# KiCad board Rogelio Pineda part 5.x3-AMLDC-2044B.kicad_pcb (continued)
## Routing (per net, layer and track width the routed paths; a pad name or vN(x,y) marks a point on that pad's centre or on a via; arc(x,y) is an arc through that point) (continued)
V0p10: length 7.8
  Top w0.15: UV0.5 120.09,67.14 120.16,72.39 120.16,73.23 UV0.10
V0p13: length 7.8
  Top w0.15: UV0.13 112.58,73.27 112.58,72.18 112.54,69.6 112.46,66.99 112.46,66.19 UV0.2
V1p12: length 8
  Top w0.15: 153.84,81.16 153.79,81.1 v1(153.72,81.1) 153.72,81.03 153.65,80.97 153.65,80.75 153.3,80.4 153.3,74.86 153.25,74.81 UV1.12
V1p13: length 13.7
  Top w0.15: 148.74,86.6 v1(148.74,86.66) 148.59,85.17 148.56,84.89 148.44,84.34 148.39,82.96 148.42,82.08 148.44,81.32 148.56,80.74 148.76,80.12 148.89,79.59 149.04,78.71 149.53,77.53 149.72,76.82 150.04,76.06 150.35,75.14 150.49,74.65 150.71,73.42
V3p10: length 7.6
  Top w0.15: 239.36,72.84 239.36,65.22
V3p13: length 7.8
  Top w0.15: 231.74,72.84 231.74,72.36 231.98,72.11 232.11,66.6 231.74,65.22
V5p1: length 18
  Top w0.2: UV5.1 298.16,63.94 298.56,63.4 298.97,62.16 299.27,60.81 299.43,54.71 299.4,52.92 299.41,52.58 299.45,52.12 299.23,50.44 299.02,49.62 298.87,49.07 UW5.1
V5p4: length 18.8
  Top w0.2: UW5.2 301.28,49.52 301.48,50.67 301.75,52.47 302.03,54.22 301.99,56.92 301.9,57.74 302.02,58.77 302.28,59.38 302.56,59.98 303.12,60.69 304.59,62.88 305.23,63.65 UV5.4
V5p5: length 19.2
  Top w0.2: UW5.7 312.56,47.85 312.31,48.29 312.01,49.16 311.09,50.29 309.61,52.27 309.42,55.02 309.62,60.3 309.12,61.8 308.81,62.69 308.28,63.48 UV5.5
V5p9: length 5
  Top w0.2: 314.11,76.76 v1(314.11,76.74) 314.87,76.22 315.57,74.37 315.94,73.5 UV5.9
V5p12: length 19.3
  Top w0.2: UW5.10 313.03,56.07 312.86,57.1 312.52,58.09 312.29,59.29 312.18,59.89 312.09,60.76 312,62.81 311.96,68.24 311.48,69.03 311.41,69.23 310.86,69.81 309.79,70.56 308.68,71.64 308.32,71.88 UV5.12
V5p13: length 19.3
  Top w0.2: UW5.15 300.61,57.1 300.54,58.54 301.14,60.21 301.66,61.23 301.89,61.93 302.06,62.61 301.96,65.92 301.97,67.53 302.25,68.51 302.73,69.2 303.21,69.71 303.46,70.08 303.88,70.31 304.31,70.65 305.13,71.43 UV5.13
V6p9: length 18.2
  Top w0.15: UV6.9 354.71,70.58 354.48,69.93 354.08,68.7 353.92,67.8 353.82,66.5 354.08,64.79 353.87,61.81 354.1,57.8 354.45,56.72 354.94,55.24 UW6.9
V6p12: length 9.2
  Top w0.15: UV6.12 348.64,71.21 348.92,70.74 350.02,69.5 350.72,68.62 351.39,67.66 352.08,66.39 UV6.5
V6p13: length 8.1
  Top w0.15: UV6.13 344.94,70.46 344.49,69.33 344.08,67.9 343.58,66.62 UV6.1
V7p13: length 38
  Top w0.15: UV7.13 382.51,73.88 383.12,75.81 383.36,76.62 383.6,77.14 384.31,79.34 385.34,82.1 386.94,86.8 387.87,89.64 389.92,95.58 391.78,100.52 392.73,102.98 393,103.82 393.92,106.38 394.07,106.86 UT7.7
(no net): length 8259.3
  Top w0.15: v1(435.61,361.51) 435.44,358.62 435.42,354.66 435.52,353.83 435.38,342.07 435.23,331.05 435.08,315.09 435.08,311.26 435,299.65 435.21,272.7 435.35,270.71 435.35,267.59 v1(435.26,267.5) ; 320.5,194.85 320.55,194.8 ; 320.55,194.8 320.34,191.57 320.37,190.83 320.27,187.79 320.11,186.38 320.05,184.76 319.77,182.23 319.47,180.67 319.38,179.54 319.18,178.28 319.09,177.03 318.86,175.71 318.68,174.47 318.57,172.92 318.48,172.08 318.37,166.87 318.14,160.19 317.98,133.68 317.93,132.16 317.92,130.24 317.87,129.31 317.76,124.81 317.81,123.33 317.76,118.17 ; 320.55,194.8 320.63,200.26 320.66,201.14 320.83,207.32 320.56,208.69 320.44,209.6 320.18,210.76 319.79,212.59 319.37,213.65 v1(319.01,214.32) ; v1(417.59,264.07) 417.71,265.75 417.57,287.77 417.63,289.14 417.76,297.06 417.76,297.95 417.85,302.06 417.92,303.23 417.69,303.72 417.53,304.75 417.99,306.01 418.1,310.4 417.79,310.79 417.65,312.27 417.74,312.36 417.74,312.53 418.14,313.21 418.04,314.33 418.03,315.77 v1(417.92,315.89) ; v1(321.56,40.95) 321.49,49.03 321.51,52.14 v1(321.69,65.02) ; 329.21,114.51 329.28,114.57 v1(329.15,114.64) 329.28,117.36 329.04,123.13 328.84,128.13 328.82,130.07 328.78,134.81 328.81,136.07 329.02,141.97 329.12,143.22 329.31,149.68 329.34,149.71 329.34,153.55 v1(329.51,153.72) ; v1(399.47,286.71) 399.5,286.74 399.5,288.33 399.4,288.71 399.22,289.96 399.09,292.7 398.98,293.68 399.07,313.06 399.21,320.69 399.33,351.71 399.38,352.46 399.41,355.24 399.61,357 399.85,360.22 400.08,364.05 399.98,364.65 v1(400.02,364.69) ; v1(333.3,167.61) 332.86,166.75 332.74,166.47 332.47,164.89 332.4,164.35 332.23,163.29 332.18,161.81 332.18,157.69 332.33,156.49 332.56,152.79 332.84,151.53 332.97,148.47 v1(332.97,148.47) ; 254.2,50.02 254.2,50.12 v1(254.25,50.17) 254.2,50.22 254.2,51.19 254.38,51.89 254.56,54.47 254.61,55.1 254.9,57.87 255.04,59.42 255.2,69.82 255.05,71.2 254.88,74.54 254.67,76.65 254.35,78.61 254.01,80.27 253.87,82.13 253.74,85.54 253.59,117.21 253.57,119.9 252.93,145.35 252.97,154.67 253.41,160.48 253.71,161.72 v1(253.81,162.64) ; v1(366.31,218.24) 366.29,216.97 366.25,215.92 366.11,211.44 366.13,210.59 366.06,208.1 366.07,206.62 366.03,203.01 365.99,202.17 365.89,198.98 365.89,198.04 365.81,196.48 365.73,194.78 365.8,194.01 365.69,192.96 365.71,192.94 365.85,190.17 365.94,189.07 366.12,186.88 366.15,186.16 366.25,185.14 366.38,181.52 366.35,174.88 366.35,173.37 366.35,172.17 366.3,169.35 366.34,165.47 366.27,164.71 v1(366.08,163.62) ; v1(363.07,284.43) 363.32,284.16 363.29,283.75 v1(362.98,276.78) ; v1(400.17,367.49) 400.48,367.36 401.23,366.16 401.83,364.77 401.48,359.83 401.38,358.83 401.37,358.09 401.34,357.85 401.3,356.34 401.31,355.83 401.33,355.54 401.46,353.98 401.86,352.87 402.19,352.01 402.53,350.97 402.62,349.29 401.9,346.07 401.58,339.06 401.48,335.43 401.28,330.59 401.15,324.27 401.12,320.12 ; v1(374.63,163.57) 375.21,188.48 375.09,240.14 375.15,252.88 375.15,253.58 v1(374.9,253.83) ; 404.18,102.61 v1(403.99,102.75) 404.03,121.4 403.88,179.23 403.87,182.68 403.97,191.48 403.94,192.6 404.02,203.76 404.09,212.96 404.09,221.89 404.09,224.47 404.12,228.13 404.12,230.59 404.05,234.1 404.12,235.49 404.42,239.67 404.66,242.15 404.64,249.69 404.59,251.09 404.47,252.55 404.2,253.17 v1(403.98,253.58) ; v1(338.22,206.68) 338.45,207.85 338.6,210.44 338.6,211.76 338.58,213.26 338.5,216.61 338.32,221.28 338.17,224.19 337.76,230.92 337.59,232.99 337.48,235.28 337.4,235.9 337.22,240.28 337.07,241.42 336.84,243.21 336.06,244.72 335.74,245.77 334.66,247.59 334.21,249.83 334.01,251.73 334.14,255.05 334.08,257.5 334.16,262.57 334.14,264.92 334.31,270.76 334.23,270.85 334.23,279.06 334.16,280.68 334.16,294.07 334.11,294.12 334.11,295.98 334.14,297.97 334.4,308.86 334.46,311.66 v1(334.63,316.11) ; v1(405.09,349.25) 404.95,350.02 404.62,350.96 404.45,351.54 404.19,352.15 403.82,353.45 403.71,354.35 403.57,355.89 403.56,358.53 403.7,365.3 403.4,367.21 403.24,367.77 403.06,368.81 402.92,370.22 402.87,370.62 402.76,371.23 402.76,377.74 402.7,378.29 402.73,379.15 402.89,381.13 403.01,381.73 403.3,383 403.43,383.51 403.68,384.38 404.1,385.16 404.34,385.88 404.44,386.36 v1(404.54,387.25) ; v1(363.07,328.79) 363.14,330.04 362.97,332.1 362.79,334.87 362.69,336.03 362.69,337.49 362.65,341.81 362.74,343.64 362.74,347.54 362.73,348.94 362.69,353.53 362.76,354.67 362.92,358.73 363.01,360.19 363.3,363.81 363.47,365.8 363.7,369.19 363.81,369.87 364.03,372 364.2,373.14 364.32,374.45 364.73,378.26 364.96,380.85 365.01,385.3 364.95,386.45 364.87,387.21 364.49,390.59 v1(364.33,391.06) ; v1(367.93,354.17) 368.41,353.69 368.66,345.87 368.46,343.87 368.28,343.39 367.66,341.82 367.37,341.03 366.96,340.07 366.81,339.12 367.09,337.61 367.23,337.09 367.39,336.1 367.53,335.48 367.59,334.81 367.78,333.9 368,332.9 368.13,332.15 368.3,331.02 368.43,330.15 368.43,328.88 368.37,328.62 368.29,328.12 367.97,327.13 367.43,325.99 367.28,325.48 367.09,324.57 366.9,323.26 366.85,322.25 366.7,319.84 366.66,318.77 366.75,317.35 367.05,315.62 367.3,314.41 367.36,312.35 367.04,311.34 366.54,309.98 366.16,308.72 366.25,307.3 366.6,306.11 367.18,304.29 367.58,303.25 368.23,301.36 369.12,299.37 369.67,295.46 369.7,291.99 369.86,283.93 369.52,280.36 369.09,278.39 368.9,276.55 369.26,275.15 369.85,273.78 370.2,272.99 370.52,271.56 370.36,269.72 369.96,268.56 369.58,267.1 369.2,265.73 368.99,261.79 369.02,261.06 368.94,260.44 369.02,257.25 368.93,256.18 368.73,253.68 368.65,252.97 368.54,249.31 368.48,249.09 368.57,244.8 368.72,236.56 368.76,235.91 368.7,235.58 368.69,235.15 367.9,231.64 367.74,230.61 367.47,229.7 367.23,228.63 367.12,227.87 367.16,226.77 367.29,225.79 v1(367.43,224.54) ; 334.3,104.21 334.3,104.25 v1(334.35,104.3) 334.3,104.35 333.83,104.95 333.51,105.97 333.35,107.31 333.14,113.88 333.23,115.44 333.29,117.48 333.33,118 333.65,121.13 333.82,121.97 334.16,123.86 334.22,124.98 v1(334.16,125.28) ; v1(407.69,257.66) 407.77,256.78 408.02,255.99 408.28,254.43 408.4,253.7 408.47,252.59 408.58,250.15 408.62,249.66 408.57,246.41 408.5,245.04 408.52,244.09 408.32,243.02 408.24,241.16 408.04,239.86 407.89,238.18 407.68,236.72 407.59,235.55 407.39,234 407.27,232.17 407.17,230.54 406.96,217.82 407.02,216.08 406.96,214.17 406.95,211.8 406.84,199.91 ; v1(411.97,399.92) 412.18,399.46 412.58,398.6 412.59,392.8 412.59,390.87 412.56,379.18 412.55,374.85 412.5,367.34 412.47,365.81 412.33,354.67 412.33,352.67 412.35,349.35 412.41,342.5 412.28,338.59 412.17,337.26 412.04,335.67 412.04,334.17 v1(411.8,333.92) ; 212.27,201.43 212.17,186.03 212.21,185.98 212.21,178.72 212.26,178.67 212.3,170.73 212.27,169.43 212.47,166.76 212.93,162.47 ; v1(368.06,272.91) 367.97,273.65 367.92,274.06 367.86,274.78 367.87,277.38 368.13,278.74 368.47,280.23 368.62,280.87 368.83,281.84 368.89,282.57 368.81,294.36 368.52,297.01 368.08,299.43 367.45,301.12 366.87,302.92 366.47,303.89 365.79,305.9 365.53,306.53 365.28,307.53 365.23,308.26 365.3,309.99 365.52,311.26 v1(365.41,312.28) ; v1(337.02,252.72) 336.85,253.71 336.72,255.33 336.71,257.23 336.59,258.45 336.64,265.99 336.62,266.72 336.62,267.66 336.61,273.69 336.61,280.07 336.68,280.14 336.68,287.8 336.82,290.09 336.86,290.44 336.96,291.94 337.04,293.78 337.12,294.59 v1(337.09,295.84) ; v1(368.15,338.91) 368.31,338.2 368.47,337.42 368.41,337.06 368.53,334.89 368.93,332.48 369.12,331.69 369.39,330.04 369.48,328.95 369.26,327.76 368.82,326.71 367.87,323.47 367.71,322.41 367.62,321.66 367.63,321.24 367.58,319.74 367.61,318.71 367.58,317.76 367.71,316.9 367.84,316.39 368.45,312.96 368.1,311.5 367.87,311.02 367.25,309.4 367.17,308.39 367.12,307.89 367.3,307.01 368.2,304.82 368.64,303.44 368.99,302.56 369.38,301.12 370.05,299.38 370.53,296.86 370.65,296.3 370.8,282.57 370.78,281.39 370.66,280.49 370.56,279.73 370.06,277.97 369.87,276.64 370.23,275.24 370.61,274.36 371.28,272.79 371.44,271.44 371.42,270.86 371.38,269.72 371.01,268.96 370.93,268.36 370.39,266.82 370.02,264.97 369.9,255.67 369.89,255.65 369.73,254.55 369.64,253.76 369.46,250.76 369.72,248.48 370.71,245.56 371.19,244.23 371.36,239.31 371.45,237.33 371.4,218.38 371.17,215.02 371.15,214.64 370.66,211.8 370.24,208.81 370.19,207.99 369.88,199.68 369.85,198.81 369.78,191.32 370.66,188.73 371.23,187.11 371.43,186.49 371.57,185.78 371.81,184.9 371.8,182.89 371.74,177.86 371.29,171.78 371.17,170.64 371.1,170.14 v1(370.9,169.74) ; v1(403.42,397.33) 402.97,396.36 402.32,395.38 402.03,394.6 401.8,394.14 401.34,392.24 401.46,386.11 v1(401.28,384.68) 401.39,384.26 401.5,383.87 401.48,382.46 401.48,381.5 401.31,374.64 401.34,373.97 401.37,373.24 401.44,370.36 401.55,369.51 401.81,368.41 402.21,366.48 402.61,364.69 402.58,361.38 402.49,359.74 402.44,357.12 402.44,356.15 402.42,355.33 402.53,354.47 402.86,353 403.11,352.31 403.49,351.33 403.58,349.3 403.4,347.79 403.26,346.66 403.13,345.63 403.14,345.17 402.91,342.96 402.79,341.26 402.79,340.78 402.76,336.95 402.82,335.89 402.92,330.18 403.04,329.4 403.21,328.15 403.31,327.77 v1(403.43,326.17) 403.23,325.68 403.11,325.31 402.79,323.69 402.71,323.05 402.53,321.21 402.54,320.1 402.54,317.55 402.58,316.94 402.69,315.62 402.81,314.68 402.94,313.76 403.25,312.44 403.57,309.85 403.03,307.54 v1(403.03,307.23) ; 400.41,295.19 400.35,296.16 ; 400.35,296.16 400.38,295.46 400.64,294 400.74,293.3 400.86,292.42 401.18,291.51 401.77,289.34 402.22,288.23 402.69,286.77 402.76,286.38 402.96,285.88 403.34,284.26 403.55,281.08 403.58,279.76 403.59,269.76 403.6,268.19 403.39,265.32 402.99,263.58 402.38,262.19 401.47,260.74 401.41,260.74 400.44,258.99 399.52,257.55 399.12,256.44 398.77,254.79 398.69,248.54 398.68,247.37 398.5,208.9 398.77,204.11 398.71,201.56 v1(398.89,201.38) ; 400.35,296.16 400.22,300.47 400.22,302.35 400.19,306.29 400.2,307.02 400.2,316.92 400.17,318.58 400.45,330.39 400.45,334.65 400.71,347.8 400.81,349.4 v1(400.84,350.56) ; 408.9,233.59 408.92,234.73 409.07,236.24 409.06,237.46 409.32,240.55 409.33,241.17 409.43,243.22 409.66,246.34 409.67,248.24 409.78,252.72 ; v1(319.75,119.17) 319.53,120.17 319.42,121.23 319.32,123.56 319.2,124.72 318.99,138.83 319.02,153.46 319.21,155.16 319.92,157.04 320.75,158.9 321.22,160.02 321.57,161.35 321.61,162.31 321.67,163.86 321.56,170.66 321.63,171.84 322.1,177.43 322.28,178.33 322.52,180.3 322.73,181.31 322.73,181.84 322.94,183.53 322.91,184.48 323.07,186.22 323.05,224.84 323.05,226.19 322.73,237.44 322.62,238.62 322.53,239.78 322.47,240.68 322.32,241.12 322.16,242.51 322.04,243.59 322.04,244 321.82,245.8 321.63,247 321.5,247.81 321.26,249.91 321.16,250.66 v1(321.14,251.26) ; v1(330.91,301.16) 331.27,302.4 331.66,303.62 331.87,304.39 332.13,305.18 332.42,306.47 332.73,307.62 332.92,309.85 332.94,311.07 332.98,312.81 332.94,314.55 332.78,315.92 332.52,321.34 332.57,321.75 332.77,323.84 332.96,324.53 333.06,325.08 333.3,325.79 333.61,327.36 333.77,327.92 334.12,329.37 334.46,330.5 335.26,334.01 335.43,335.47 335.28,340.59 335.02,344.84 335.38,350.27 335.41,351.52 335.58,356.47 v1(335.35,357.46) ; v1(372.2,333.87) 372.24,332.74 372.33,331.65 372.45,330.6 372.58,329.46 372.56,328.73 372.63,327.09 372.55,326.49 372.14,325.24 372.23,325.33 371.64,324.23 370.93,322.91 370.41,321.08 370.28,318.17 370.67,315.65 371.02,314.22 371.24,313.3 371.55,312 371.61,311.27 371.48,309.69 ; 335.94,156.02 336.09,155.22 335.74,146.56 ; v1(290.53,200.35) 290.35,199.32 289.87,197.77 289.72,196.57 289.71,189.36 290.04,182.48 290.22,179.31 290.55,176.07 291.01,168.75 291.12,158.7 291.29,153.22 291.25,147.79 291.4,125.66 291.35,119.49 291.35,107.22 291.33,107.19 291.07,103.81 291.14,100.53 291.3,94.08 291.35,94.03 291.14,90.67 291.21,87.03 291.21,80.46 291.18,80.44 291.18,75.01 291.18,73.8 290.95,68.79 ; v1(320.94,136.91) 320.94,137.71 320.82,137.91 320.58,139.14 320.47,140.68 320.24,148.22 320.31,153.5 320.53,154.83 321.06,156.24 321.68,157.56 322.52,159.17 322.79,160.89 322.66,171.23 322.79,174.03 323.17,177.37 323.34,178.17 323.78,180.29 323.94,180.92 324.04,185.23 324.13,186.23 324.19,189.3 324.16,190.93 324.26,197.94 324.25,197.95 324.25,208.42 324.26,208.44 324.26,215.61 324.22,216.36 324.06,228.27 324.03,232.49 324.03,233.99 324.1,238.33 324.13,239.53 323.89,244.41 323.79,245.51 323.39,248.74 323.14,250.23 322.92,251.77 322.86,252.08 v1(322.67,252.92) ; v1(409.5,391.53) 409.69,391.09 409.7,390.07 409.65,375.77 409.61,372.57 409.49,364.54 v1(409.38,361.9) ; v1(308.45,123.1) 308.88,124 309.04,125.49 309.39,128.22 309.51,129.76 309.61,130.77 309.7,132.31 309.84,133.83 309.96,136.71 309.96,137.18 309.98,137.67 309.91,142.21 309.91,142.78 309.98,149.79 309.96,149.81 309.99,156.11 310.03,164.49 309.84,165.49 309.63,165.98 309.45,166.24 309.45,166.26 309.28,166.48 308.94,166.79 308.26,167.32 307.49,167.93 v1(307.49,167.93) ; v1(409.32,356.65) 409.58,356.09 409.76,355.53 409.88,354.26 410,352.94 409.93,345.69 409.93,344.85 409.5,343.45 408.92,342.4 408.19,341.61 408.07,341.24 407.58,339.7 407.73,337.25 407.83,336.61 407.88,334.14 407.87,334.13 407.87,328.05 407.98,326.27 407.98,321.71 408.04,321.44 408.15,320.2 408.22,319.65 408.3,318.45 408.66,316.07 408.77,312.54 408.79,310.46 408.49,307.55 408.32,305.86 408.15,303.76 408.04,302.38 407.9,301.12 407.74,299.51 407.65,297.96 407.48,295.43 407.41,294.07 407.3,288.7 407.25,288.65 407.25,285.6 407.3,285.55 407.23,282.81 407.15,281.28 407.09,278.3 407.07,276.86 407.09,276.36 407.07,273.26 407.29,268.01 407.37,266.82 407.41,265.26 407.53,264.37 407.57,263.2 407.57,262.31 407.75,260.97 v1(407.63,259.98) ; 326.83,84.23 326.8,84.25 v1(326.76,84.25) 326.76,84.3 326.84,84.81 326.75,85.92 326.46,88.09 326.31,89.35 326.32,89.97 325.7,96.41 325.67,97.5 325.69,98.23 325.69,113.34 325.84,113.49 ; 409.78,252.81 409.39,263.11 409.27,265.1 409.2,267.52 409.1,268.73 408.93,272.56 408.85,274.19 408.65,278.19 408.52,279.5 408.46,281.66 408.44,282.65 408.31,285.17 408.52,286.82 v1(408.97,287.96) 408.97,289.01 408.77,294.24 408.75,295.17 408.7,296.16 408.95,302.24 409.12,303.12 409.27,303.91 409.53,306.36 409.77,307.75 409.99,309.03 409.99,310.79 409.78,316.45 409.47,318.74 409.18,321.45 408.98,323.41 408.87,326.54 408.81,327.22 408.86,327.47 409.04,334.18 409.01,335.93 409.15,337.73 409.15,338.84 v1(409.26,340.13) ; v1(335.89,208.07) 335.82,207.7 335.93,206.68 336.47,205.24 336.98,203.9 337.45,202.99 337.66,202.34 337.82,201.69 338.13,195.26 v1(338.08,194.05) ; v1(130.51,122.93) 130.01,122.04 129.76,120.01 129.73,103.48 129.66,100.56 129.66,90.16 129.64,82.67 129.58,65.23 129.64,47.4 v1(129.94,45.38) ; v1(324.26,254.58) 324.49,254.17 324.51,253.81 324.61,252.74 324.88,249.42 325.21,241.98 325.35,241.31 325.41,206.87 325.28,183.86 325.2,182.3 325.04,180.97 324.66,179 324.38,177.38 324.28,176.55 324.02,175.16 324.02,161.72 ; v1(375.31,350.3) 375.66,349.8 375.75,349.09 375.84,348.59 376.01,347.35 376,347.11 376.01,346.66 376.11,344.27 376.11,343.78 376.02,323.41 376.03,322.56 375.97,320.36 375.99,319.09 375.87,314.05 375.92,313.79 375.8,290.54 375.79,289.31 375.74,286.47 375.73,285.13 375.8,283.45 375.68,278.71 375.68,272.56 375.38,268.11 374.9,267.2 374.42,266.43 373.96,265.28 373.69,264.64 373.53,256.42 373.48,255.48 373.57,253.81 373.87,252.22 374.24,250.58 374.22,232.35 373.87,211.2 373.76,210.32 373.59,209.5 v1(373.64,209.2) ; v1(215.6,65.55) 215.6,64.6 215.69,64.51 215.69,53.41 215.73,53.38 215.81,51.48 216.02,49.53 215.93,48.85 215.76,47.61 215.65,46.28 215.41,44.15 215.23,41.14 v1(214.98,39.38) ; v1(324.09,67.42) 324.25,45.74 v1(323.89,43.48) ; v1(333.57,202.62) 333.21,205.08 333.11,205.92 333.2,209.17 333.97,210.6 334.48,211.71 334.94,212.85 335.21,214.42 335.21,215.35 335.34,222.1 335.35,222.6 335.57,228.62 335.34,235.72 335.34,236.21 335.15,238.23 335.13,238.25 334.91,240.78 334.72,242.12 v1(334.56,242.89) ; v1(368.33,129.42) 368.42,129.51 368.57,131.67 368.65,132.48 368.75,133.47 368.85,134.4 369.03,135.79 369.22,137.55 369.22,139.03 369.17,139.89 369.16,140.32 368.92,151.58 368.94,152.16 368.9,152.95 368.86,154.16 368.57,164.18 368.53,166.07 368.42,173.02 368.46,173.06 368.61,179.28 368.59,180.32 368.63,184.73 368.47,186.46 368.2,189.22 368.02,190 367.8,192.81 367.94,198.57 368.08,202.91 368.18,206.98 368.26,208.99 368.5,210.26 368.77,211.66 369.13,213.98 369.35,215.22 369.48,217.07 369.65,219.3 369.61,220.77 369.4,224.31 369.14,225.99 v1(368.78,228.18) ; v1(367.25,145.62) 367.35,149.03 367.4,151.66 367.42,153.26 367.64,162.22 367.67,163.38 367.62,164.93 367.6,166.26 367.59,167.11 367.48,173.11 367.47,173.38 367.46,174.67 367.53,182.22 367.51,184.54 367.34,186.34 367.24,187.16 366.91,191.58 366.9,192.08 366.89,192.93 366.9,199.86 367.03,201.91 367.1,203.9 367.24,205.67 367.22,206.81 367.24,208.91 367.51,210.45 367.72,211.31 367.9,212.25 368.18,213.7 368.22,214.52 368.33,215.63 368.43,216.55 368.4,216.58 368.31,218.68 368.28,219.36 368.13,220.36 367.83,221.32 v1(367.48,221.97) ; 371.48,309.94 371.1,308.61 370.49,306.7 370.41,305.32 370.49,303.73 370.79,302.9 371.25,301.22 371.53,300.56 371.68,300.21 371.94,299.51 372.14,298.96 372.41,298.04 372.58,293.78 372.62,290.91 372.67,283.62 372.65,279.07 372.52,278.65 372.23,277.33 371.89,276.64 v1(371.84,276.64) ; v1(400.36,249.8) 400.36,247.86 400.34,247.85 400.25,224.92 v1(400.3,211.56) ; v1(405.66,260.99) 405.54,260.18 405.61,259.74 405.61,258.33 405.62,258.09 405.7,257.4 405.65,256.68 405.74,256.07 406.02,254.32 406.16,253.39 406.39,252.36 406.59,250.98 406.72,249.57 406.88,248.72 407.05,246.77 407.15,244.04 407.15,243.38 407.01,241.69 406.96,240.59 406.72,239.42 406.24,236.02 406.06,235.1 405.83,233.9 405.76,233.01 405.63,231.83 405.66,231.2 v1(405.66,230.08) ; 325.85,113.48 325.84,113.49 ; 325.84,113.49 325.84,139.13 325.95,140.3 ; v1(136.99,100.28) 136.92,100.35 137.02,115.9 137.15,117.64 137.4,119.19 137.42,119.85 137.61,122.21 137.58,123.78 137.58,126.84 137.32,131.18 137.09,136.64 137.01,138.11 136.84,139.8 136.76,140.94 136.52,146.17 136.44,148.04 136.21,153.58 136.12,154.74 136,155.54 135.77,156.44 135.41,158.25 134.46,161.24 134.03,164.45 134.04,166.79 134.04,168.73 134.21,169.84 134.74,173.5 135.18,175.55 135.61,177.53 136.03,178.52 136.29,180.5 136.55,182.12 136.96,186.84 137.04,188.12 137.27,194.4 137.42,195.78 137.53,198.54 137.64,199.09 137.78,202.12 138.04,203.89 138.48,206.86 138.59,208.19 138.99,211.67 139.08,212.83 139.62,216.12 140.19,218.86 140.72,220.86 140.83,221.66 141.08,224.88 141.32,228.67 141.14,231.6 141.08,233.13 140.96,244.99 140.6,245.35 v1(140.6,246.8) ; v1(330.64,155.91) 331.13,154.47 331.2,152.63 330.82,137.11 v1(330.58,134.45) ; v1(404.6,340.27) 404.79,342.2 404.74,343.06 404.77,343.79 405.46,345.63 406.38,347.12 406.78,348.21 406.96,349.75 406.85,351.11 406.7,351.78 406.17,354.3 405.82,355.54 405.69,356.74 405.55,357.57 405.4,358.56 405.32,359.83 405.31,360.69 405.28,362.38 v1(405.18,363.21) ; 369.78,109.26 v1(369.76,109.36) 369.95,110.62 370.12,111.07 370.38,114.31 370.25,118.07 370.16,135.35 370.16,136.49 370.13,136.66 369.95,149.71 369.91,152.05 369.57,164.18 369.57,165.61 369.52,166.21 369.5,167.13 369.46,169.84 369.48,171.72 369.66,173.69 370,175.73 370.15,182.42 370.03,185.87 369.36,189.35 368.81,191.84 368.83,197.3 368.88,197.9 368.92,199.14 369.04,204.86 369.11,206.22 369.18,209.28 369.27,209.65 369.53,210.82 369.74,211.91 369.95,212.82 370.09,214.01 370.53,217.14 370.45,222.53 370.36,222.62 370.43,224.55 370.36,230.29 v1(369.95,230.97) ; v1(335.56,141.83) 335.61,141.41 335.73,140.29 335.82,139.87 335.92,139.11 336.12,137.76 336.05,137.98 336.22,136.41 336.22,118.12 335.82,114.19 335.82,111.71 335.73,110.32 v1(335.34,108.3) ; v1(325.08,379.84) 325.08,377.59 325.13,377.55 324.92,353.63 324.9,350.84 324.83,342.97 324.77,338.71 325.04,328.82 325.18,326.62 325.36,324.82 325.67,316 325.93,310.38 326.43,296.76 326.56,295.31 326.75,290.89 326.93,288.4 327.34,279.21 327.61,275.46 327.83,270 327.93,268.82 328.2,263.97 328.58,256.01 328.81,253.12 328.84,244.1 328.77,241.55 328.77,232.8 328.69,223.91 328.69,203.85 328.64,203.81 328.74,187.88 328.73,186.65 328.63,181.67 328.77,174.69 328.36,171.65 327.7,168.28 326.93,164.14 326.37,162.28 325.99,159.57 325.49,157.71 325.31,154.77 325.13,153.19 325.08,151 325.18,149.71 324.95,148.18 324.43,145.98 324.58,137.42 324.31,119.77 324.2,101.83 324.11,99.44 324.17,98.09 324.13,85.99 324.13,85.57 v1(324.31,85.39) 324.43,85.27 ; v1(406.78,343.86) 407.39,345.09 407.65,346.1 407.88,347.27 407.86,348.07 407.88,349.18 407.85,350.48 407.9,351.05 407.73,353.59 407.38,355.03 407.19,356.61 407.01,357.67 406.85,361.38 407.02,362.94 407.23,364.01 407.36,365.04 407.49,366.15 407.6,370.9 407.55,372.43 407.64,373.94 407.68,377.09 407.68,378.69 407.73,381.93 407.73,383.13 407.7,384.47 407.67,385.07 407.55,388.13 407.39,389.11 407.3,389.32 v1(407.02,389.73) ; 293.09,53.47 v1(293.06,53.53) 293.2,54.54 293.83,56.31 293.94,57.61 294.13,117.95 294.19,159.87 294.39,186.57 294.29,189.11 293.99,191.48 293.83,192.32 v1(293.65,193.01) ; v1(218.29,99.81) 218.29,99.17 218.08,98.96 218.02,80.05 v1(218.08,75.79) ; v1(173.04,72.54) 173.19,84.39 173.23,85.69 173.25,87.88 173.27,90.96 v1(173.46,91.15) 173.35,96.05 173.37,98.42 173.37,99.35 v1(173.43,99.41) ; v1(325.86,256.44) 326.02,255.66 326.22,254.85 326.35,245.38 326.58,239.27 326.58,228.62 326.59,228.61 326.51,189.83 326.49,188.18 326.31,182.41 326.27,181.65 326.23,181.39 326.07,178.77 326,177.53 325.94,176.64 325.96,176.74 325.88,176.04 v1(325.73,175.05) ; 291.79,56.05 v1(291.84,55.97) 292.11,56.05 293.27,59.55 293.57,117.95 293.57,129.93 292.9,177.71 292.2,191.6 291.95,192.99 292.03,194.44 292.03,195.13 v1(292.41,195.51) ; 406.45,64.47 v1(406.36,64.6) 406.63,119.7 406.54,129.07 406.63,133.91 406.73,145.15 406.79,146.58 406.7,148.7 406.7,150.15 406.79,153.84 406.7,158.91 406.68,165.53 406.64,171.22 406.89,177.31 406.85,180.25 406.6,183.42 406.58,185.92 406.69,189.99 406.63,192.69 406.82,198.98 406.84,200.3 ; v1(372.38,249.78) 372.62,250.02 372.62,260.75 372.6,261.86 372.83,265.58 373.34,266.77 373.95,267.94 374.13,268.28 374.69,270.18 374.67,271.86 374.75,272.98 374.82,276.36 374.78,276.89 374.79,277.34 374.9,297.2 374.77,297.93 374.67,298.32 374.54,298.91 374.26,299.85 374.17,300 373.89,300.6 373.74,301.02 373.25,301.99 372.88,302.98 372.36,304.44 372.4,305.45 372.48,305.72 372.67,307.15 373.12,308.35 373.5,310.31 373.41,311.93 373.09,314.29 372.71,315.22 372.43,317.13 372.42,317.86 372.55,318.62 372.95,319.4 373.79,321.21 373.91,323.09 373.89,323.11 373.96,324.1 373.98,327.1 374.01,327.82 374,328.5 374.26,341.67 374.05,343.34 373.78,346.71 373.07,349.32 373.13,351.06 373.22,351.64 373.57,352.82 374.23,354.98 374.18,363.72 374.08,365.12 373.9,366.29 373.64,366.91 373.06,368.01 372.78,368.5 372.5,369.36 372.32,370.08 372.32,371.23 372.6,372.82 372.64,373.96 372.78,374.67 372.84,376.18 372.81,377.59 372.96,379.9 372.93,380.54 372.86,383.17 372.99,383.31 372.99,388.42 v1(372.92,388.5) ; v1(335.76,250.33) 335.55,251.5 335.45,251.98 335.36,252.25 335.51,282.51 335.24,294.59 335.55,297.86 335.87,298.56 336.04,299.78 336.18,300.12 336.29,301.43 336.39,301.85 336.54,302.56 336.75,303.47 336.88,304.23 336.99,305.33 336.99,305.95 337.2,316.7 336.94,318.16 336.75,320.3 336.56,320.98 336.35,323.35 336.1,324.55 v1(336.02,325.01) ; 324.31,119.94 324.44,119.81 ; v1(367.03,391.11) 367.01,391.09 367.14,390.31 366.88,388.53 366.67,386.77 366.58,386.26 366.48,385.25 366.35,384.67 366.24,383.61 366.19,382.71 366.16,382.45 366.12,380.76 366.04,379.95 365.96,379.4 365.89,378.2 365.86,378.04 365.59,375.49 365.42,374.2 365.13,372.18 364.91,370.82 364.75,369.09 364.65,368.2 364.51,367.36 364.48,366.6 364.45,365.77 364.39,364.9 364.27,361.85 364.25,360.85 364.11,357.43 364.11,355.65 364.18,352.5 364.16,351.92 364.26,350.95 364.24,349.99 364.37,347.44 364.19,346.87 v1(364.19,346.74) 364.2,346.01 363.8,343.26 363.66,342.5 363.63,341.06 363.64,340.16 363.64,338.62 363.69,337.59 363.65,336 364.02,333.55 364.35,332.07 364.63,330.42 364.73,329.62 364.73,328.71 364.78,327.99 364.72,327.57 364.62,326.98 364.12,326.06 363.72,325.5 363.29,325.07 v1(363.29,325.01) 363.33,322.65 363.23,319.04 362.96,309.82 362.91,308.93 362.88,303.34 362.91,302.54 362.92,301.08 363.01,299.96 362.99,299.74 363.02,298.96 363.08,298.43 363.32,296.7 363.5,295.37 363.74,294.32 363.96,293.48 363.92,293.45 v1(363.92,292.97) ; 371.28,345.83 371.11,344.65 371.01,343.64 371.01,342.97 370.91,340.49 370.78,339.04 370.83,337.68 370.78,337.03 370.78,336.74 370.78,336.27 370.74,335.52 370.73,334.76 370.98,332.59 371.23,330.79 371.28,330.01 371.33,329.11 371.18,327.47 371,326.86 370.79,326.09 370,324.38 369.77,323.39 369.64,322.64 369.47,320.33 369.39,318.15 369.58,315.99 369.88,315.06 370.05,314.09 370.35,313.07 370.46,312.41 370.54,311.95 370.48,310.94 370.49,310.25 370.14,308.71 369.98,307.78 369.81,307.27 369.6,306.46 369.66,306.39 369.66,305.64 369.59,304.16 369.79,302.85 370.08,302.08 370.15,301.62 370.55,300.74 370.83,299.67 370.97,299.16 371.09,298.74 371.3,298.21 371.32,297.76 371.54,296.54 371.74,281.8 371.6,279.98 371.31,279.28 371.18,278.81 370.89,278.13 370.73,277.51 370.57,276.81 370.8,276.11 371.13,275.23 371.56,274.56 371.95,273.68 372.46,272.01 372.4,269.97 371.73,267.88 371.32,266.68 370.88,265.51 370.79,260.71 370.88,256.2 370.84,255.48 370.78,254.92 370.54,253.62 370.45,252.86 370.32,251.4 370.28,250.93 370.34,249.26 371.22,247.69 371.53,247.01 372.27,245.43 372.28,244.52 372.4,242.59 372.33,237.64 372.26,216.3 372.05,214.52 371.88,212.37 371.35,210.42 371.1,207.88 371.04,202.27 370.84,196.93 370.8,195.96 370.73,194.78 370.8,193.39 371.03,192.1 371.2,191.16 371.63,190.03 372.18,188.3 372.9,186.43 372.64,170.74 372.5,169.66 372.32,168.03 372.17,166.32 372,164.98 371.77,156.19 371.68,142.57 371.74,118.26 372.01,117.98 371.98,108.81 371.75,105.38 371.61,104.18 371.26,96.52 371.26,96.52 v1(371.22,96.52) 371.22,96.48 371.19,96.45 ; v1(410.78,393.54) 411.56,392.45 411.46,375.53 411.47,373.61 411.34,367.65 411.4,366.64 411.35,362.63 411.32,359 411.3,355.72 411.27,354.38 411.15,347.52 411.14,346.99 411.19,346.19 411.06,340.55 410.92,338.9 410.67,338.18 410.31,334.62 410.23,331.89 410.05,325.51 410.07,323.36 410.18,322.21 410.23,321.47 410.46,319.89 410.6,319.1 410.94,316.59 411.14,314.5 411.34,312.2 411.26,309.95 411.18,309.16 411.14,308.37 410.9,307.16 410.57,305.19 ; v1(318.62,293.25) 318.43,276.32 v1(318.55,274.25) ; v1(410.28,293.09) 410.18,294.67 409.94,296.64 409.83,297.68 409.89,298.61 409.89,298.85 409.84,298.71 409.93,301.32 410.11,302.65 410.38,304.15 410.58,305.24 ; v1(401.86,309.73) 401.86,310.5 401.5,311.8 401.46,312.29 401.28,313.23 401.01,317.9 401.12,320.43 ; v1(338.37,369.61) 338.37,367.64 338.39,367.62 338.16,360.05 338.21,358.79 337.77,348.97 337.79,346.53 v1(337.49,341.23) 337.84,339.77 338.06,338.64 338.12,337.91 338.33,336.99 338.46,336.13 338.57,334.93 338.6,331.62 338.57,330.6 338.57,316.45 338.54,316.41 338.57,316.38 338.48,301.94 338.48,300.39 v1(338.22,299.57) 338.64,298.44 338.75,295.03 338.62,289.68 338.5,288.54 338.41,285.2 338.42,283.95 338.3,282.97 v1(338.15,281.89) ; 363.57,54.32 363.54,54.35 363.54,54.45 v1(363.57,54.48) 363.54,54.52 v1(363.54,74.62) 363.54,74.85 ; 365.72,335.67 365.68,337.67 365.6,339.72 365.79,341.6 365.84,342.06 365.91,342.46 365.99,342.99 366.03,343.29 366.21,344.42 366.3,345.3 366.33,345.84 366.4,346.45 366.37,347.39 366.37,348.31 366.31,350.04 366.3,350.95 366.28,351.59 366.19,353.05 366.21,353.76 366.17,354.78 366.28,356.48 366.33,357.17 ; v1(334.1,128.14) 333.9,128.84 333.65,130.36 333.5,132.03 333.31,133.02 333.19,135.75 333.22,135.79 333.11,143.31 333.62,144.82 333.96,145.96 334.41,146.83 334.69,147.9 334.81,148.65 334.81,151.77 334.66,152.64 334.63,153.28 334.48,154.03 334.36,155.24 334.2,155.91 v1(333.96,156.71) ; v1(337.09,214.45) 336.67,213.41 336.34,212.67 335.81,211.72 334.59,209.81 334.32,209.25 334.09,208.27 334.33,206.53 334.66,205.58 334.86,204.97 335.28,203.52 335.43,202.73 335.63,201.91 335.68,198.44 335.95,196.73 336.26,195.14 336.61,193.3 337.06,190.73 337.4,189.33 337.85,185.01 337.82,182.97 337.99,182.26 337.93,182.21 338.01,180.64 338.25,176.34 338.33,174.33 338.31,173.03 338.38,171.73 338.43,169.87 338.45,167.7 338.25,164.47 337.59,163.12 336.97,161.18 v1(336.76,160.96) ; v1(291.75,197.49) 291.27,196.26 291.16,195.27 291.31,193.94 291.27,191.94 291.6,187.76 292.03,176.72 292.69,145.97 292.75,122.53 292.68,117.29 292.58,65.61 292.54,62.81 292.42,61.79 292.23,60.69 292.2,60.09 v1(291.65,58.79) 291.65,58.77 ; v1(332.1,330.66) 332.63,354.83 332.59,383.3 332.19,383.7 v1(332.19,384.19) ; 408.9,234.07 408.78,232.32 408.73,231.32 408.67,230.43 v1(408.75,229.52) ; 325.91,139.19 325.95,140.3 ; 325.95,140.3 326.29,150.09 326.27,153.42 326.36,154.71 326.52,156.02 326.82,158.07 327,158.77 327.41,161.22 327.76,162.97 327.96,163.97 328.51,166.08 328.75,167.71 328.96,168.56 329.27,169.6 329.42,170.66 329.81,172.51 329.78,173.31 329.78,174.08 329.88,175.59 329.97,190.27 330.01,195.74 329.97,209.82 330.01,214.27 329.94,223.04 329.95,224.64 330.1,237.57 329.97,237.7 329.97,246.98 329.87,247.08 329.87,256.1 329.78,256.2 329.78,261.77 329.71,262.84 329.62,266.9 v1(329.38,267.14) ; v1(169.72,94.87) 169.35,94.87 168.4,95.92 168,97.48 167.92,98.28 168,103.37 168.43,106.79 168.24,107.46 v1(168.47,107.69) ; 324.05,161.7 324.02,161.72 ; 324.02,161.72 323.88,160.28 323.58,158.77 323.18,157.38 322.79,155.95 322.68,155.33 322.26,152.6 v1(322.47,152.26) ; 331.38,387.34 331.16,387.56 v1(331.16,402.49) ; 335.96,155.99 335.8,156.8 335.43,157.53 335.09,158.55 334.68,159.4 334.68,160 334.86,161.24 335.08,162.05 v1(335.43,163.55) ; 290.54,61.61 290.64,64.82 290.79,66.58 290.97,68.97 ; v1(320.94,290.66) 320.67,289.02 320.68,282.05 320.65,281 320.57,277.99 320.51,275.83 320.24,270.49 320.14,268.76 320.08,268.08 319.91,265.54 319.55,258.71 319.4,256.23 319.4,251.46 319.82,244.25 319.82,242.46 320.04,241.3 320.18,240.03 320.68,236.32 320.94,233.07 321.2,230.63 321.31,228.98 321.43,226.37 321.48,225.05 321.61,223.05 321.87,209.83 322.17,193.21 322.01,186.94 321.98,184.03 321.67,180.44 321.47,179.17 321.06,177.69 320.94,176.81 320.81,176 320.76,175.11 320.57,174.31 320.24,170.83 320.09,166.78 v1(319.94,162.49) ; v1(366.71,359.93) 366.36,358.53 366.33,357.04 ; v1(168.93,92.47) 168.83,92.38 v1(168.83,85.33) 168.83,85.22 ; v1(408.78,67.2) 408.85,72.79 408.78,73.97 v1(408.65,74.78) ; v1(368.47,308.45) 368.69,308.8 369.48,310.77 369.6,311.7 369.52,312.54 369.48,312.83 369.21,314.22 368.8,315.41 368.66,316.88 368.61,317.62 368.61,317.96 368.61,322.75 368.82,323.39 368.95,323.82 369.17,324.58 369.67,325.98 370.46,328.63 370.39,329.6 370.34,330.37 370.11,331.97 369.95,332.77 369.87,333.85 369.82,334.99 370.03,342.56 370.15,345 370.39,346.99 370.49,347.55 370.73,348.51 371.04,349.91 371.46,352.25 371.67,353.27 371.95,354.76 372.15,355.88 372.35,359.59 372.35,360.96 372.24,361.87 372.18,363.15 372.05,363.83 371.35,365.33 v1(370.81,365.82) ; v1(410.8,193.91) 410.96,198.24 411.19,235.24 411.26,235.3 411.26,243.23 411.36,247.08 v1(411.5,256.94) 411.56,258.14 411.71,265.75 411.68,265.78 411.68,277.09 411.85,286.4 411.71,301.04 411.45,301.3 v1(411.45,301.92) ; v1(372.52,322.54) 372.16,321.34 371.98,320.76 371.86,320.29 371.49,319.07 371.29,317.31 371.69,315.27 372.16,314 372.54,312.42 372.55,310.81 372.23,309.34 371.74,308.07 371.62,307.36 371.49,306.74 371.35,305.39 371.56,303.58 371.72,302.92 372.35,301.37 372.83,300.07 373.27,299.12 373.64,297.38 373.79,296.39 373.76,272.17 373.63,271.23 373.58,270.58 373.44,269.6 373.09,268.67 372.43,267.23 372.13,266.24 371.74,264.22 371.69,254.93 371.64,254.59 371.53,254.01 371.26,251.72 371.15,250.78 371.18,249.71 371.39,249.22 371.7,248.42 372.08,247.98 372.32,247.62 372.52,247.12 373.19,245.75 373.33,215.12 373,212.43 372.54,210.97 372.12,209.42 372.03,204.53 372.09,203.08 372.29,202.69 372.35,202.23 372.44,201.56 372.79,199.59 372.59,195.7 372.56,195.3 372.51,192.67 v1(372.38,192.55) ; 211.4,108.69 211.4,108.7 v1(211.39,108.7) 211.4,108.71 211.4,109.53 211.5,109.63 211.71,110.48 211.68,110.69 211.92,111.69 212.11,112.76 212.39,114.54 212.6,115.67 212.9,118.17 213.07,119.55 213.08,126.58 213.07,127.95 213.11,134.16 213.02,138.45 213.07,139.42 213.03,140.53 213.07,143.82 213.09,145.12 212.79,159.19 212.93,162.64 ; v1(362.84,184.99) 362.65,185.81 362.43,187.3 362.42,191.02 362.46,193.35 362.53,195.36 362.62,197.94 362.63,199.26 362.7,202.3 363.15,209.62 363.25,211.92 v1(363.25,214.1) ; v1(335.34,108.3) 335.34,108.14 ; v1(335.34,108.3) 335.34,108.48 ; v1(217.55,63.07) 217.55,40.13 ; 373.42,100.26 v1(373.38,100.51) 373.46,118.04 373.38,119.86 373.5,122.19 373.18,134.42 373.17,135.96 373.08,147.36 373.08,149.54 372.94,161.42 372.97,162.54 373.24,167.83 373.52,169.65 373.57,172.74 373.6,173.68 373.71,176.1 373.73,177.81 373.84,179.69 373.93,183.38 374.11,185.81 374.11,187.57 374.16,189.26 374.21,192.41 374.16,194.17 374.01,199.49 373.96,200.55 373.91,201.5 373.86,202.57 373.76,204.49 373.62,205.13 v1(373.46,205.6) ; v1(363.07,380.89) 363.12,381.39 363,382.99 362.83,383.77 362.72,387.13 362.72,387.92 362.72,391.1 362.69,391.32 362.76,391.99 362.89,392.68 v1(363.11,393.63) ; v1(364.06,190.3) 364.15,189.91 364.18,187.61 364.24,186.24 364.23,177.83 364.27,176.89 364.23,167.94 364.22,165.87 364.25,164.93 364.34,156.49 364.32,156.48 364.32,150.59 364.28,147.07 364.35,144.31 364.36,141.94 364.46,138.51 364.43,137.72 364.54,134.36 364.59,133.53 364.61,132.76 364.64,131.58 v1(364.78,122.76) ; 371.24,345.26 371.41,346.96 371.63,348.26 372.07,350.13 372.05,350.15 372.2,350.73 372.34,351.73 372.61,352.69 372.97,354.22 373.22,355.87 373.29,361.22 373.25,361.65 373.18,363.66 372.99,365.11 372.62,366.19 372.23,367 371.79,368.25 371.29,369.69 371.25,370.13 370.87,372.29 v1(370.76,373.24) ; v1(365.59,399.97) 366.32,400.22 367.33,400.2 370.68,400.06 v1(371.84,400.06) ; v1(287.58,247.99) 287.5,246.88 286.74,238.53 286.47,234.27 286.22,223.46 286.26,214.9 286.38,145.31 286.3,139.1 286.49,122.73 286.36,119.68 286.21,106.89 286.23,100.71 v1(286.72,98.6) 286.72,98.56 ; v1(393.57,342.41) 392.71,343.27 391.71,343.63 390.74,344.18 390.34,344.32 389.48,344.73 388.91,344.98 387.72,345.63 387.07,345.78 v1(386.59,345.8) ; v1(287.9,100.84) 288.6,99.98 289.21,97.73 289.12,96.69 288.89,95.79 288.85,94.88 288.47,91.72 288.27,90.09 288.41,81.87 288.45,69 288.45,62.26 288.65,53.28 288.87,49.32 v1(289.12,47.48) ; v1(365.36,226.16) 365.82,227.6 366.04,229.41 366.22,230.8 366.51,232.19 366.54,233.08 366.72,233.72 366.85,235.07 367.03,236.1 367.29,238.92 367.38,242.17 367.4,242.95 367.26,248.95 367.22,249.19 367.2,249.86 367.04,252.95 366.96,253.95 366.81,261.3 366.81,261.74 366.79,263.27 v1(366.67,264.4) ; v1(290.5,61.29) 290.43,61.27 ; v1(337.95,158.97) 337.95,158.21 338.22,157.94 338.22,117.79 v1(337.87,103.12) 337.86,103.03 ; v1(330.91,309.07) 330.97,309.13 v1(330.97,312.39) ; 321.95,88.8 321.91,88.76 v1(321.91,88.85) 322,88.85 322.04,88.89 322.27,101.52 322.29,103.56 322.4,106.23 322.65,117.9 322.73,117.98 322.73,119.77 322.87,132.44 322.79,138.01 322.74,143.12 323.11,144.45 323.19,145.27 323.59,147.31 324.24,150.32 324.19,153.55 324.18,154.41 324.66,158.92 325.41,161.41 326.18,166.29 326.6,167.86 327.14,171.34 327.49,173.96 327.57,187.53 327.57,188.14 327.56,189.11 327.7,199.08 327.65,200.47 327.72,210.63 327.64,217.87 327.72,221.83 327.65,222.61 327.65,232.07 327.69,234.98 327.78,239.91 327.62,245.2 327.65,249.91 327.73,253.04 327.43,257.16 325.94,277.03 325.68,282.77 325.64,283.24 325.41,289.69 325.28,292.3 324.63,312.7 323.97,324.25 323.4,339.75 323.2,348.49 323.13,387.53 322.82,389.86 v1(322.65,391.33) ; v1(366.8,280.87) 367.12,281.41 367.34,282.41 367.7,283.4 367.8,284.7 367.84,285.25 367.93,286.49 367.7,290.45 367.67,292.44 367.3,296.59 367.05,297.73 366.75,298.64 366.4,299.73 366.11,300.55 365.75,301.64 v1(365.41,302.24) ; v1(332.57,278.17) 332.79,276.27 332.95,275.44 333.36,271.09 333.26,267.09 333.06,258.79 333.06,257.16 332.95,243.8 332.95,233.26 332.95,212.81 ; v1(331.64,265.88) 331.47,265.71 331.43,175.47 331.09,173.76 330.82,171.29 330.49,169.74 330.37,169.11 330.09,167.93 329.98,166.86 329.82,166.15 329.45,163.81 329.15,162.74 328.84,161.01 328.45,159.75 328.39,158.99 328.03,157.6 327.82,156.19 327.74,154.36 327.56,147.06 327.37,117.66 327.37,107.12 327.34,106.48 327.46,105.63 327.49,104.91 327.65,102.12 328.02,96.26 328.23,94.2 328.41,91.96 328.6,89.95 328.74,88 328.88,86.8 329.13,83.08 329.31,82.9 v1(329.31,82.86) 329.34,82.86 329.4,82.8 ; v1(294.04,273.9) 293.76,274.18 v1(293.76,278.24) 294.21,279.58 294.41,281.77 294.37,282.49 294.3,284.56 294.21,286.41 294.22,288.7 294.12,298.01 294.15,313.44 294.25,317.92 294.22,319.46 294.15,320.52 294.17,323.6 294.01,331.66 293.97,338.31 293.94,338.34 293.94,340.36 v1(293.86,340.43) ; v1(335.94,360.59) 335.98,360.63 v1(335.98,397.66) ; v1(133.04,106.46) 132.78,106.2 132.67,68.52 132.63,65.15 132.68,64.73 132.68,48.07 v1(132.69,48.06) ; 212.27,201.05 212.3,203.8 212.58,205.4 212.54,205.45 212.54,212.8 212.35,214.47 212.03,226.63 212.09,229.63 212.17,233.42 212.5,235.28 213.1,238.43 213.63,243.02 213.89,247.05 213.08,258.73 213.1,280.01 212.96,280.93 213.14,281.69 v1(213.24,284.96) ; v1(336.56,62.35) 336.74,61.01 v1(336.5,45.62) ; 335.76,146.52 v1(335.49,144.22)
  Top w0.2: 317.76,118.17 317.58,106.85 318.15,105.99 318.72,105.4 320.39,104.25 v1(320.45,104.25)
  Bottom w0.15: 179.65,114.33 177.65,115.09 175.95,115.84 173.86,116.95 171.96,117.71 169.3,119 165.8,120.09 163.07,120.74 158.04,121.45 155.12,121.72 149.32,122.18 147.46,122.3 146.61,122.42 144.27,122.52 141.69,122.67 137.71,122.86 136.79,122.98 135.2,122.93 132.74,122.95 132.71,122.93 v1(130.51,122.93) ; 217.89,114.18 220.3,115.64 223.69,117.51 226.71,119.05 232.31,119.55 233.76,119.5 237.06,119.81 241.97,120.5 245.77,120.67 253.5,120.05 256.14,119.72 260.17,119.43 263.82,119.18 266.43,119.08 292.88,119.08 ; 123.59,312.75 120.32,312.81 117.86,312.89 109.8,313.09 107.33,313.84 105.49,314.25 103.65,314.54 102.18,314.28 100.33,312.81 v1(100.05,312.81) ; v1(126.79,312.65) 125.81,312.81 123.52,312.75 ; 292.88,284.95 292.23,284.9 285.8,284.97 282.22,285.04 274.3,285.01 268.72,284.89 262.26,284.94 260.13,285.3 257.58,285.93 256.25,286.09 240.76,285.93 234.61,285.93 231.67,285.89 226.19,285.75 224.98,285.63 220.58,285.32 219.3,285.34 215.7,285.24 214.73,285.17 v1(213.24,284.96)
  Bottom w0.2: v1(140.6,246.8) 141.31,246.47 143.25,246.62 144.96,246.71 149.63,246.98 152.1,247.17 155.63,247.35 157.12,247.34 161.38,247.48 169.31,247.7 173.76,247.89 177.29,247.94 184.01,248.12 187.01,248.18 192.84,248.47 195.03,248.68 199.38,248.93 200.64,249.12 201.99,249.56 203.34,249.81 207.98,250.86 209.99,251.37 214.97,252.45 217.7,252.8 227.89,252.83 229.64,252.83 235.41,252.72 238.1,252.71 243.68,252.54 245.84,252.66 246.87,252.66 250.28,253.54 252.98,255 253.57,255.25 255.19,256.11 257.08,256.87 258.99,257.88 262.47,259.21 265.73,260 268.38,259.87 269.13,259.78 272.12,259.24 273.97,258.8 276.55,257.93 278.73,257.12 282.35,256.18 284.69,256 286.24,255.85 292.74,255.85 292.82,255.77
  vias: v1(217.49,40.23) v1(222.62,72.51) v1(253.01,60.24) v1(308.88,387.47) v1(331.01,387.54) v1(333.03,212.72) v1(338.48,392.44) v1(365.72,336.21)
+V TERM: length 506
  Top w0.15: 86.27,192.31 87.29,194.31 87.77,195.59 88.35,197.11 88.66,198.64 89.05,200.42 ; J2.13 81.24,183.39 81.92,183.65 82.46,183.81 83.04,184.13 84.26,185.06 85.37,186.16 85.91,186.63 86.53,187.34 87.57,188.36 89,189.54 v1(90.17,190.49) 90.13,190.6 ; 86.32,192.44 86.12,191.92 85.56,191.03 84.89,189.77 84.12,188.82 83.12,187.88 81.9,187.28 80.61,186.51 J2.11 ; v1(289.75,218.39) 289.75,218.88 289.78,219.6 289.61,220.54 289.34,223.98 289.35,225.43 289.38,226.21 289.3,232.47 289.7,234.91 289.99,236.09 290.25,237.21 290.59,238.59 291.16,240.18 291.7,242.28 292.49,244.6 292.89,245.88 v1(292.98,247.06) ; 89.05,200.3 89.63,202.89 89.9,204.22 v1(90.09,204.9) 90.09,205.01
  Bottom w0.15: v1(289.75,218.39) 288.91,218.7 287.34,218.71 286.79,218.71 273.98,219.02 258.94,218.84 249.05,218.72 245.06,218.12 240.77,217.63 236.83,217.46 226.96,217.71 220.36,218.54 213.62,218.58 209.53,218.12 203.2,217.69 198.31,217.57 195.23,217.51 193.96,217.52 188.48,217.63 182.89,217.88 177.74,217.62 174.86,217.34 169.79,216.77 168.09,216.67 164.95,216.45 162.19,216.31 159.32,216.26 150.33,216.35 148.36,216.56 143.67,217.09 127.45,217.48 119.52,217.46 113.69,217.48 111.35,217.41 109.22,217.2 106.33,216.4 102.73,215.05 100.14,212.79 98.87,210.92 96.98,206.41 96.11,203.67 95.05,200.36 93.67,195.26 91.68,191.93 v1(90.17,190.49) ; v1(90.09,204.9) 90.99,206.25 91.83,207.87 93.35,210.36 94.43,212.31 95.72,214.51 97.46,217.79 99.06,220.63 101.8,224.16 102.83,225.38 106.33,228.71 107.42,229.66 108.97,230.84 112.78,232.14 114.95,232.46 121.16,232.95 123.51,232.97 134.92,233.84 148.15,234.09 163.77,234.09 176,234.11 186.38,234.15 199.47,234.3 207.11,234.38 219.15,234.48 230.77,235.5 233.9,236.1 234.9,236.17 236.72,236.52 239.49,236.98 244.7,238.32 247.98,239.64 252.5,241.1 256.32,242.44 260.99,243.74 262.87,243.97 265.14,243.85 270.09,243.71 272.16,243.67 275.33,243.29 282.36,242.33 283.31,242.18 285.53,241.89 289.99,241.39 292.64,241.24 293.48,241.34
/A77: length 63.9
  Top w0.15: 88.78,255.3 R35.2 ; 87.95,262.2 87.36,263.11 87,263.64 85.43,265.94 83.93,267.86 83.09,268.88 82.31,269.53 81.93,269.85 81.11,270.25 80.32,270.43 76.05,270.43 J1.77 ; 87.9,262.28 88.41,261.03 88.58,260.03 88.79,258.06 R36.1
  Bottom w0.15: R35.2 88.78,255.3 R36.1 91.14,257.79 92.15,257.59 93.43,257.47 94.69,257.18 R4.1 99.75,256.31 102.37,255.87 107.5,255.33 108.98,255.06 111.26,255.13 115.09,256.18 116.51,256.2 122.7,256.35 124.08,256.42 125.07,256.66 126.17,257.23 127.16,257.95 127.41,258.17 UK0.9
/C14p2: length 7.6
  Top w0.15: C14.2 222.79,397.46 222.79,396.95 222.08,395.54 220.62,393.03 220.53,391.45
/D8p13: length 11.2
  Top w0.15: UD8.13 418.91,365.57 418.62,364.98 418.49,364.4 418.11,363.54 418.02,356.3 417.72,356 v1(417.72,355.95) 417.67,355.95 417.6,355.88
/G8p11: length 10.2
  Top w0.15: 422.67,301.82 422.57,301.92 v1(422.57,301.95) 422.57,308.2 422.87,309.36 UG8.11
/Pad6p6: length 2.6
  Top w0.15: 273.98,302.51 273.98,302.6 v1(274,302.62)
  Bottom w0.15: v1(274,302.62) 274.23,302.85 UG4.6
/Pad14p14: length 6.1
  Top w0.15: C12.2 269.12,315.82 267.88,315.62 267.4,315.38 267.39,315.37 267.04,315.03 266.84,314.71 266.61,314.28 UG4.14
/Pad15p15: length 11.5
  Bottom w0.15: R68.2 262.25,315.73 263.11,315.75 263.83,315.71 C12.1 264.37,315.2 264.53,315.04 264.07,314.58 UG4.15
/R10p2: length 7.5
  Top w0.25: v2(143.43,375.8) 143.43,375.75 143.38,375.7
  Bottom w0.2: UC1.1 R10.2 143.53,375.9 v2(143.43,375.8)
/R39p1: length 5.4
  Top w0.15: R39.1 405.18,300.19 R69.2
/R39p2: length 80.1
  Top w0.15: 406.05,396.07 v1(406.05,396.05) 406.07,396.05 406.24,395.88 406.6,395.06 406.91,394.46 407.07,394.12 407.38,393.32 407.81,392.2 408.39,390.63 408.78,388.64 408.66,384.52 408.61,383.82 408.61,381.74 408.53,365.04 408.19,363.86 407.9,360.87 407.86,359.84 407.92,356.95 408.36,355.83 408.88,352.78 408.91,352.12 408.95,351.33 409.07,348.14 408.88,345.22 408.69,344.27 408.35,343.41 408.16,343.17 406.85,341.57 406.64,341.04 406.07,339.06 405.96,332.46 405.97,332.15 406.05,331.7 406,330.31 405.97,328.97 405.84,327.37 405.79,326.55 405.71,325.59 405.7,324.58 405.59,321.48 405.62,320.26 405.56,318.95 R39.2
/R42p2: length 53.3
  Top w0.15: R42.2 403.15,258.92 403.08,259.72 403.43,260.87 403.57,261.3 404.01,263.1 404.19,264.53 404.27,264.69 404.33,265.27 404.52,267.22 404.6,267.83 404.72,268.69 404.78,269.95 404.89,271.47 405.18,273.18 405.33,274.58 405.46,275.35 405.64,276.74 405.79,277.57 405.92,278.43 406.09,279.45 406.18,280.31 406.25,280.88 406.25,282.9 406.6,284.15 406.33,286.06 406.37,287.7 406.18,289.01 405.97,289.71 405.8,290.48 405.68,290.89 405.12,291.96 404.77,292.81 404.48,293.36 404.23,293.98 404.08,294.38 403.42,296.1 403.26,296.92 403.18,298.27 403.25,300.04 403.63,303.07 403.87,304.52 404.17,305.29 404.56,306.66 404.93,307.77 405.14,308.78 405.29,309.55 v1(405.26,310.29) 405.29,310.25
/R50P2: length 55.9
  Top w0.15: CR3.1 182.07,386.59 181.95,381.79 181.89,381.04 181.88,380.91 C28.2 181.05,378.68 179.26,376.63 178.43,375.31 177.18,373.38 v1(177.04,371.78)
  Bottom w0.2: C28.2 183.2,379.64 184.85,380.04 189.9,379.69 192.25,379.71 193.55,380.23 196.73,381.1 199.62,381.34 205.7,381.48 208.76,381.24 210.31,381.24 212.33,381.2 CR4.1 ; R12.1 177.01,371.75 v1(177.04,371.78)
/R60p1: length 2.6
  Top w0.25: R60.1 209.27,97.47 R61.1
/R64p1: length 2.6
  Top w0.25: R64.1 209.24,87.05 R63.1
/R66p1: length 2.6
  Top w0.25: R62.1 209.33,92.19 R66.1
/R79p2: length 96.1
  Top w0.15: R79.2 375.12,396.19 375.58,394.41 375.76,393.34 375.82,392.45 375.93,391.31 376.01,389.96 376.08,389.61 376.22,385.94 376.34,384.83 376.01,377.95 375.84,375.15 375.75,374.67 375.63,372.7 375.61,372.22 375.62,371.71 375.62,370.14 375.69,370.07 375.69,369.47 ; 375.69,369.47 373.86,369.47 v1(373.83,369.44) 373.8,369.47 373.77,369.47 ; 375.69,369.47 375.57,360.86 375.58,359.78 375.56,359.08 375.47,357.8 375.44,355.41 375.25,354.63 374.78,353.48 374.63,353.05 374.43,352.58 374.3,352.13 373.9,350.78 374.12,349.08 374.25,348.54 374.51,347.61 374.72,346.19 374.89,344.92 375.02,344.23 375.17,335.93 374.97,327.13 374.87,322.63 374.87,321.97 374.69,320.22 374.52,319.49 374.32,318.84 374.16,318.56 373.98,317.78 373.89,317.3 v1(373.87,317.29) 374.14,316.49 374.34,315.73 374.46,314.09 374.69,312.97 374.69,309.1 374.74,308.37 374.65,307.83 374.57,306.94 374.06,305.12 373.96,304.8 373.85,304.57 v1(373.85,304.45) 373.73,304.45 373.71,304.43
/UG4A: length 5.7
  Top w0.15: 280.39,302.45 280.28,302.35 v1(280.2,302.35) 280.2,302.26 279.52,302.28 277.87,302.4 277.35,302.75 277.32,302.75 277.15,303.09 276.85,303.61 276.77,303.69 UG4.7
B1p2: length 12.5
  Top w0.25: UB1.2 150.32,396.41 148.73,397.65 147.58,398.05 146.48,397.95 145.18,397.45 143.65,396.32 R38.2 143.65,392.87 C45.2
B1p3: length 54.5
  Top w0.2: UE1.3 153.85,345.87 154.36,348.68 154.51,354.66 154.42,356.02 154.79,358.92 155.46,360.9 UD1.4 155.8,363.62 155.79,365.18 155.6,365.54 155.62,365.82 154.79,367.14 154.36,367.94 154.36,371.34 154.4,372.26 154.44,371.77 154.44,378.36 154.37,378.43 154.37,386.54 154.39,386.55 154.47,389.83 154.67,391.41 153.69,393.94 152.86,394.67 UB1.3
B1p9: length 6.4
  Top w0.25: UB1.9 160.48,403.97 160.95,404.43 160.97,404.67 R77.2 164.88,406.15 C16.1
B1p11: length 146.8
  Top w0.15: UG2.12 193.84,314.19 193.69,313.43 193.48,312.17 192.85,311.22 191.32,310.72 189.88,311.19 189.43,312.01 189.64,313.8 189.88,314.53 189.98,317.89 190.11,318.23 190.32,319.39 189.98,322.83 189.69,327.01 189.06,328.14 v1(189.06,328.56) 189.06,328.53 ; v1(172.18,329.88) 172.39,330.87 172.76,331.97 172.79,333.96 172.59,337.58 172.13,340.17 171.7,345.45 171.7,348.88 171.6,350.32 171.84,354.14 172.78,355.78 173.27,356.93 173.39,357.87 173.39,362.98 173.38,364.34 173.26,366.6 173.22,368.17 173.52,371.32 173.8,373.43 173.87,374.56 173.93,376.27 174.15,380.95 174.29,381.99 174.39,384.8 174.54,386.17 174.37,389.98 173.61,394.9 173.38,397.95 173.29,398.84 v1(173.29,401.93)
  Bottom w0.2: UF1.9 161.08,330.5 161.43,330.17 162.08,329.82 162.27,329.73 163.6,329.64 170.79,329.63 v1(172.18,329.88) 172.51,329.81 172.8,329.77 175.33,329.59 175.9,329.58 177.14,329.49 178.14,329.42 179.63,329.41 181.43,329.24 181.99,329.14 183.9,329.13 185.14,328.99 185.62,328.87 186.5,328.78 186.99,328.71 187.73,328.71 188.23,328.56 v1(189.06,328.56) ; v1(173.29,401.93) 173.29,402.21 172.19,401.7 169.99,401.06 167.95,401 166.45,401.03 162.01,400.95 159.57,400.86 158.3,400.9 157.17,401.12 156.04,401.8 UB1.11
